# Altium PCB 滑板车模块 - 拼板.PcbDoc (part 4 of 8)
Units mm, origin at the board's own origin, x right, y up, seen from the top; angles counter-clockwise.
Board outline 16 x 13 mm, 2 copper layers (Top Layer, Bottom Layer); 420 components, 26 nets, 2088 pads, 620 vias.
Unrouted connection lines stored in the file: 114.
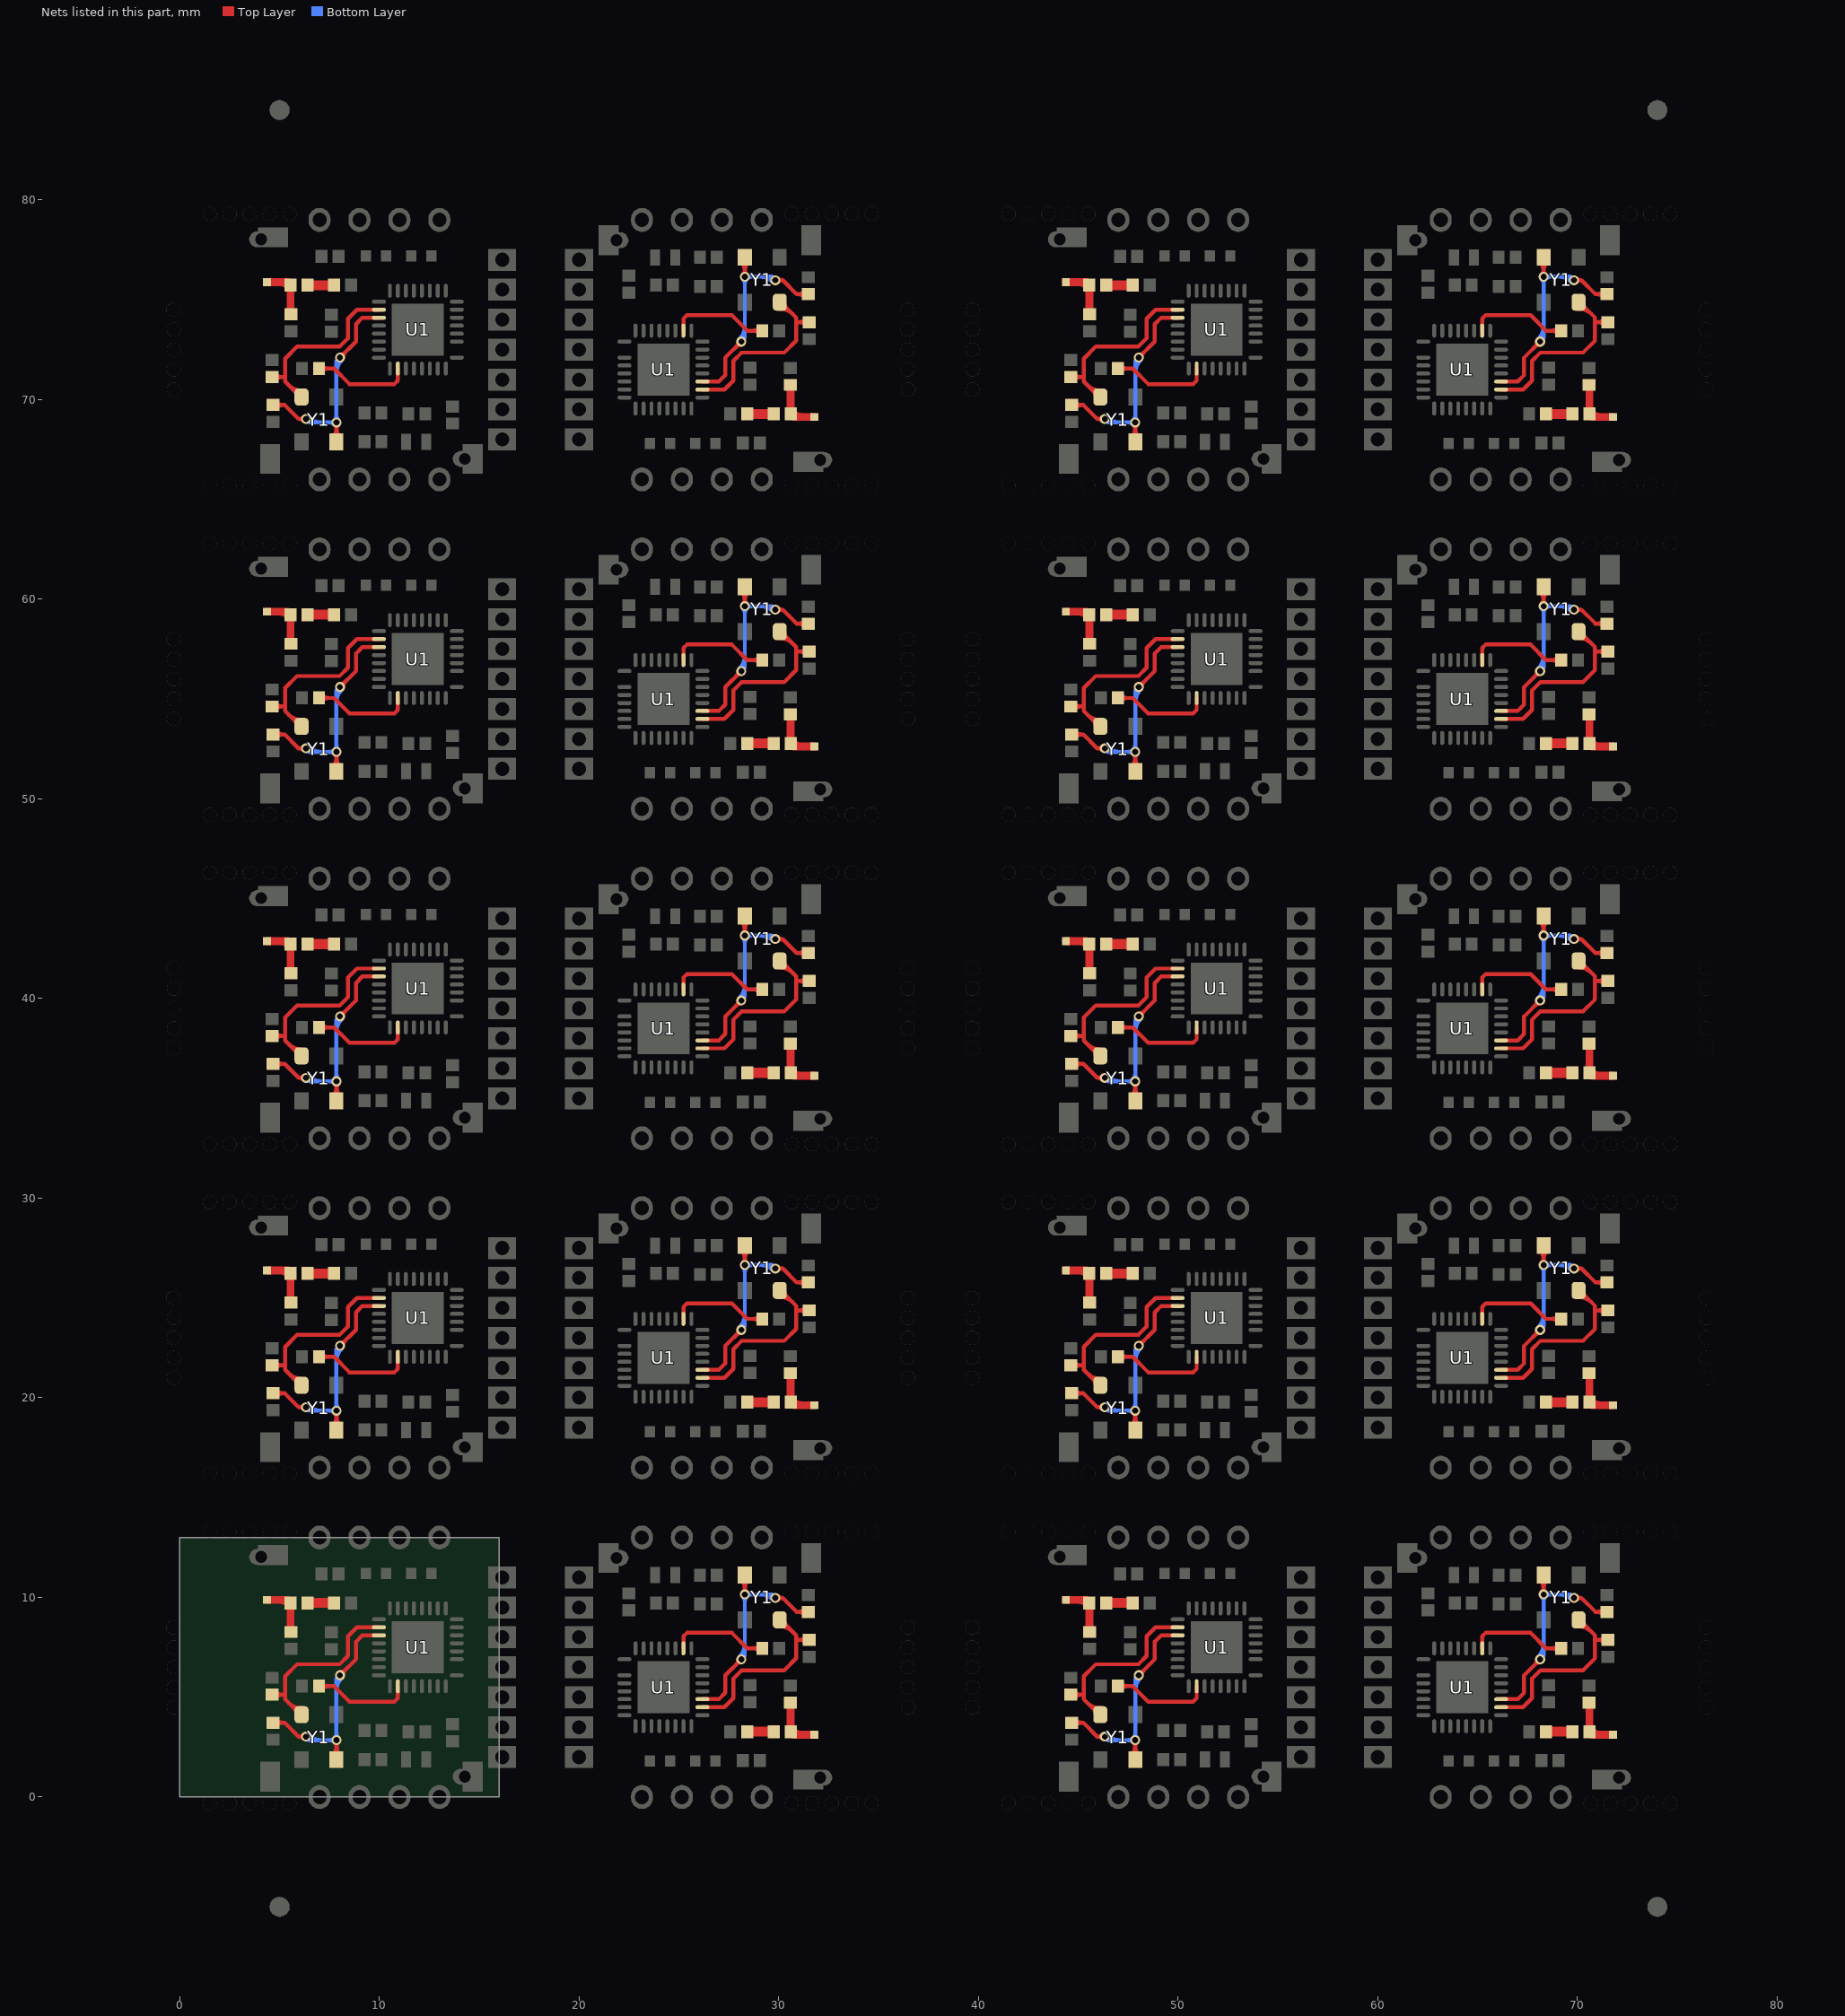
[diagram p4: the nets of this part, all layers, seen from the top]

## Via types
v1: diameter 0.5, hole 0.3, Top Layer to Bottom Layer, tented both sides, 620 vias

## Nets (pads, with @x,y where several pads share a name; then routed paths per layer and width w, separated by ;. In a path a pad name is that pad's centre, name@x,y a point inside that pad or via, vN(x,y) a via of type N, cw(c..) or ccw(c..) an arc to the next point about the centre after c; other vN are vias at no path point) (continued)
NetC3_1: C3.1 U1.11 Y1.3 | length 358.7
  Top Layer w0.2: C3.1@4.675,3.725 5.25,3.725 5.95,3.025 v1(6.325,3.025) ; C3.1@4.675,20.225 5.25,20.225 5.95,19.525 v1(6.325,19.525) ; C3.1@4.675,36.725 5.25,36.725 5.95,36.025 v1(6.325,36.025) ; C3.1@4.675,53.225 5.25,53.225 5.95,52.525 v1(6.325,52.525) ; C3.1@4.675,69.725 5.25,69.725 5.95,69.025 v1(6.325,69.025) ; C3.1@4.841,3.584 cw(c5.183,3.242) 5.183,3.725 cw(c5.183,4.208) C3.1@4.841,3.866 ; C3.1@4.841,20.084 cw(c5.183,19.742) 5.183,20.225 cw(c5.183,20.708) C3.1@4.841,20.366 ; C3.1@4.841,36.584 cw(c5.183,36.242) 5.183,36.725 cw(c5.183,37.208) C3.1@4.841,36.866 ; C3.1@4.841,53.084 cw(c5.183,52.742) 5.183,53.225 cw(c5.183,53.708) C3.1@4.841,53.366 ; C3.1@4.841,69.584 cw(c5.183,69.242) 5.183,69.725 cw(c5.183,70.208) C3.1@4.841,69.866 ; v1@6.219,2.919 ccw(c5.963,2.663) 5.963,3.025 ccw(c5.963,3.387) v1@6.219,3.131 ; v1@6.219,19.419 ccw(c5.963,19.163) 5.963,19.525 ccw(c5.963,19.887) v1@6.219,19.631 ; v1@6.219,35.919 ccw(c5.963,35.663) 5.963,36.025 ccw(c5.963,36.387) v1@6.219,36.131 ; v1@6.219,52.419 ccw(c5.963,52.163) 5.963,52.525 ccw(c5.963,52.887) v1@6.219,52.631 ; v1@6.219,68.919 ccw(c5.963,68.663) 5.963,69.025 ccw(c5.963,69.387) v1@6.219,69.131 ; Y1.3@7.673,2.127 ccw(c7.246,2.554) 7.85,2.554 ccw(c8.454,2.554) Y1.3@8.027,2.127 ; Y1.3@7.673,18.627 ccw(c7.246,19.054) 7.85,19.054 ccw(c8.454,19.054) Y1.3@8.027,18.627 ; Y1.3@7.673,35.127 ccw(c7.246,35.554) 7.85,35.554 ccw(c8.454,35.554) Y1.3@8.027,35.127 ; Y1.3@7.673,51.627 ccw(c7.246,52.054) 7.85,52.054 ccw(c8.454,52.054) Y1.3@8.027,51.627 ; Y1.3@7.673,68.127 ccw(c7.246,68.554) 7.85,68.554 ccw(c8.454,68.554) Y1.3@8.027,68.127 ; v1@7.744,2.744 cw(c7.488,2.488) 7.85,2.488 cw(c8.212,2.488) v1@7.956,2.744 ; v1@7.744,19.244 cw(c7.488,18.988) 7.85,18.988 cw(c8.212,18.988) v1@7.956,19.244 ; v1@7.744,35.744 cw(c7.488,35.488) 7.85,35.488 cw(c8.212,35.488) v1@7.956,35.744 ; v1@7.744,52.244 cw(c7.488,51.988) 7.85,51.988 cw(c8.212,51.988) v1@7.956,52.244 ; v1@7.744,68.744 cw(c7.488,68.488) 7.85,68.488 cw(c8.212,68.488) v1@7.956,68.744 ; Y1.3@7.85,1.875 v1(7.85,2.85) ; Y1.3@7.85,18.375 v1(7.85,19.35) ; Y1.3@7.85,34.875 v1(7.85,35.85) ; Y1.3@7.85,51.375 v1(7.85,52.35) ; Y1.3@7.85,67.875 v1(7.85,68.85) ; v1(8.025,6.1) 8.825,6.9 8.825,7.775 9.15,8.1 U1.11@9.975,8.1 ; v1@8.025,6.25 ccw(c8.025,6.612) 8.281,6.356 ccw(c8.537,6.1) v1@8.175,6.1 ; v1(8.025,22.6) 8.825,23.4 8.825,24.275 9.15,24.6 U1.11@9.975,24.6 ; v1@8.025,22.75 ccw(c8.025,23.112) 8.281,22.856 ccw(c8.537,22.6) v1@8.175,22.6 ; v1(8.025,39.1) 8.825,39.9 8.825,40.775 9.15,41.1 U1.11@9.975,41.1 ; v1@8.025,39.25 ccw(c8.025,39.612) 8.281,39.356 ccw(c8.537,39.1) v1@8.175,39.1 ; v1(8.025,55.6) 8.825,56.4 8.825,57.275 9.15,57.6 U1.11@9.975,57.6 ; v1@8.025,55.75 ccw(c8.025,56.112) 8.281,55.856 ccw(c8.537,55.6) v1@8.175,55.6 ; v1(8.025,72.1) 8.825,72.9 8.825,73.775 9.15,74.1 U1.11@9.975,74.1 ; v1@8.025,72.25 ccw(c8.025,72.612) 8.281,72.356 ccw(c8.537,72.1) v1@8.175,72.1 ; U1.11@26.175,4.9 27,4.9 27.325,5.225 27.325,6.1 v1(28.125,6.9) ; U1.11@26.175,21.4 27,21.4 27.325,21.725 27.325,22.6 v1(28.125,23.4) ; U1.11@26.175,37.9 27,37.9 27.325,38.225 27.325,39.1 v1(28.125,39.9) ; U1.11@26.175,54.4 27,54.4 27.325,54.725 27.325,55.6 v1(28.125,56.4) ; U1.11@26.175,70.9 27,70.9 27.325,71.225 27.325,72.1 v1(28.125,72.9) ; v1@27.975,6.9 cw(c27.613,6.9) 27.869,6.644 cw(c28.125,6.388) v1@28.125,6.75 ; v1@27.975,23.4 cw(c27.613,23.4) 27.869,23.144 cw(c28.125,22.888) v1@28.125,23.25 ; v1@27.975,39.9 cw(c27.613,39.9) 27.869,39.644 cw(c28.125,39.388) v1@28.125,39.75 ; v1@27.975,56.4 cw(c27.613,56.4) 27.869,56.144 cw(c28.125,55.888) v1@28.125,56.25 ; v1@27.975,72.9 cw(c27.613,72.9) 27.869,72.644 cw(c28.125,72.388) v1@28.125,72.75 ; Y1.3@28.123,10.873 cw(c27.696,10.446) 28.3,10.446 cw(c28.904,10.446) Y1.3@28.477,10.873 ; Y1.3@28.123,27.373 cw(c27.696,26.946) 28.3,26.946 cw(c28.904,26.946) Y1.3@28.477,27.373 ; Y1.3@28.123,43.873 cw(c27.696,43.446) 28.3,43.446 cw(c28.904,43.446) Y1.3@28.477,43.873 ; Y1.3@28.123,60.373 cw(c27.696,59.946) 28.3,59.946 cw(c28.904,59.946) Y1.3@28.477,60.373 ; Y1.3@28.123,76.873 cw(c27.696,76.446) 28.3,76.446 cw(c28.904,76.446) Y1.3@28.477,76.873 ; v1@28.194,10.256 ccw(c27.938,10.512) 28.3,10.512 ccw(c28.662,10.512) v1@28.406,10.256 ; v1@28.194,26.756 ccw(c27.938,27.012) 28.3,27.012 ccw(c28.662,27.012) v1@28.406,26.756 ; v1@28.194,43.256 ccw(c27.938,43.512) 28.3,43.512 ccw(c28.662,43.512) v1@28.406,43.256 ; v1@28.194,59.756 ccw(c27.938,60.012) 28.3,60.012 ccw(c28.662,60.012) v1@28.406,59.756 ; v1@28.194,76.256 ccw(c27.938,76.512) 28.3,76.512 ccw(c28.662,76.512) v1@28.406,76.256 ; v1(28.3,10.15) Y1.3@28.3,11.125 ; v1(28.3,26.65) Y1.3@28.3,27.625 ; v1(28.3,43.15) Y1.3@28.3,44.125 ; v1(28.3,59.65) Y1.3@28.3,60.625 ; v1(28.3,76.15) Y1.3@28.3,77.125 ; v1(29.825,9.975) 30.2,9.975 30.9,9.275 C3.1@31.475,9.275 ; v1(29.825,26.475) 30.2,26.475 30.9,25.775 C3.1@31.475,25.775 ; v1(29.825,42.975) 30.2,42.975 30.9,42.275 C3.1@31.475,42.275 ; v1(29.825,59.475) 30.2,59.475 30.9,58.775 C3.1@31.475,58.775 ; v1(29.825,75.975) 30.2,75.975 30.9,75.275 C3.1@31.475,75.275 ; v1@29.931,9.869 cw(c30.187,9.613) 30.187,9.975 cw(c30.187,10.337) v1@29.931,10.081 ; v1@29.931,26.369 cw(c30.187,26.113) 30.187,26.475 cw(c30.187,26.837) v1@29.931,26.581 ; v1@29.931,42.869 cw(c30.187,42.613) 30.187,42.975 cw(c30.187,43.337) v1@29.931,43.081 ; v1@29.931,59.369 cw(c30.187,59.113) 30.187,59.475 cw(c30.187,59.837) v1@29.931,59.581 ; v1@29.931,75.869 cw(c30.187,75.613) 30.187,75.975 cw(c30.187,76.337) v1@29.931,76.081 ; C3.1@31.309,9.134 ccw(c30.967,8.792) 30.967,9.275 ccw(c30.967,9.758) C3.1@31.309,9.416 ; C3.1@31.309,25.634 ccw(c30.967,25.292) 30.967,25.775 ccw(c30.967,26.258) C3.1@31.309,25.916 ; C3.1@31.309,42.134 ccw(c30.967,41.792) 30.967,42.275 ccw(c30.967,42.758) C3.1@31.309,42.416 ; C3.1@31.309,58.634 ccw(c30.967,58.292) 30.967,58.775 ccw(c30.967,59.258) C3.1@31.309,58.916 ; C3.1@31.309,75.134 ccw(c30.967,74.792) 30.967,75.275 ccw(c30.967,75.758) C3.1@31.309,75.416 ; C3.1@44.675,3.725 45.25,3.725 45.95,3.025 v1(46.325,3.025) ; C3.1@44.675,20.225 45.25,20.225 45.95,19.525 v1(46.325,19.525) ; C3.1@44.675,36.725 45.25,36.725 45.95,36.025 v1(46.325,36.025) ; C3.1@44.675,53.225 45.25,53.225 45.95,52.525 v1(46.325,52.525) ; C3.1@44.675,69.725 45.25,69.725 45.95,69.025 v1(46.325,69.025) ; C3.1@44.841,3.584 cw(c45.183,3.242) 45.183,3.725 cw(c45.183,4.208) C3.1@44.841,3.866 ; C3.1@44.841,20.084 cw(c45.183,19.742) 45.183,20.225 cw(c45.183,20.708) C3.1@44.841,20.366 ; C3.1@44.841,36.584 cw(c45.183,36.242) 45.183,36.725 cw(c45.183,37.208) C3.1@44.841,36.866 ; C3.1@44.841,53.084 cw(c45.183,52.742) 45.183,53.225 cw(c45.183,53.708) C3.1@44.841,53.366 ; C3.1@44.841,69.584 cw(c45.183,69.242) 45.183,69.725 cw(c45.183,70.208) C3.1@44.841,69.866 ; v1@46.219,2.919 ccw(c45.963,2.663) 45.963,3.025 ccw(c45.963,3.387) v1@46.219,3.131 ; v1@46.219,19.419 ccw(c45.963,19.163) 45.963,19.525 ccw(c45.963,19.887) v1@46.219,19.631 ; v1@46.219,35.919 ccw(c45.963,35.663) 45.963,36.025 ccw(c45.963,36.387) v1@46.219,36.131 ; v1@46.219,52.419 ccw(c45.963,52.163) 45.963,52.525 ccw(c45.963,52.887) v1@46.219,52.631 ; v1@46.219,68.919 ccw(c45.963,68.663) 45.963,69.025 ccw(c45.963,69.387) v1@46.219,69.131 ; Y1.3@47.673,2.127 ccw(c47.246,2.554) 47.85,2.554 ccw(c48.454,2.554) Y1.3@48.027,2.127 ; Y1.3@47.673,18.627 ccw(c47.246,19.054) 47.85,19.054 ccw(c48.454,19.054) Y1.3@48.027,18.627 ; Y1.3@47.673,35.127 ccw(c47.246,35.554) 47.85,35.554 ccw(c48.454,35.554) Y1.3@48.027,35.127 ; Y1.3@47.673,51.627 ccw(c47.246,52.054) 47.85,52.054 ccw(c48.454,52.054) Y1.3@48.027,51.627 ; Y1.3@47.673,68.127 ccw(c47.246,68.554) 47.85,68.554 ccw(c48.454,68.554) Y1.3@48.027,68.127 ; v1@47.744,2.744 cw(c47.488,2.488) 47.85,2.488 cw(c48.212,2.488) v1@47.956,2.744 ; v1@47.744,19.244 cw(c47.488,18.988) 47.85,18.988 cw(c48.212,18.988) v1@47.956,19.244 ; v1@47.744,35.744 cw(c47.488,35.488) 47.85,35.488 cw(c48.212,35.488) v1@47.956,35.744 ; v1@47.744,52.244 cw(c47.488,51.988) 47.85,51.988 cw(c48.212,51.988) v1@47.956,52.244 ; v1@47.744,68.744 cw(c47.488,68.488) 47.85,68.488 cw(c48.212,68.488) v1@47.956,68.744 ; Y1.3@47.85,1.875 v1(47.85,2.85) ; Y1.3@47.85,18.375 v1(47.85,19.35) ; Y1.3@47.85,34.875 v1(47.85,35.85) ; Y1.3@47.85,51.375 v1(47.85,52.35) ; Y1.3@47.85,67.875 v1(47.85,68.85) ; v1(48.025,6.1) 48.825,6.9 48.825,7.775 49.15,8.1 U1.11@49.975,8.1 ; v1@48.025,6.25 ccw(c48.025,6.612) 48.281,6.356 ccw(c48.537,6.1) v1@48.175,6.1 ; v1(48.025,22.6) 48.825,23.4 48.825,24.275 49.15,24.6 U1.11@49.975,24.6 ; v1@48.025,22.75 ccw(c48.025,23.112) 48.281,22.856 ccw(c48.537,22.6) v1@48.175,22.6 ; v1(48.025,39.1) 48.825,39.9 48.825,40.775 49.15,41.1 U1.11@49.975,41.1 ; v1@48.025,39.25 ccw(c48.025,39.612) 48.281,39.356 ccw(c48.537,39.1) v1@48.175,39.1 ; v1(48.025,55.6) 48.825,56.4 48.825,57.275 49.15,57.6 U1.11@49.975,57.6 ; v1@48.025,55.75 ccw(c48.025,56.112) 48.281,55.856 ccw(c48.537,55.6) v1@48.175,55.6 ; v1(48.025,72.1) 48.825,72.9 48.825,73.775 49.15,74.1 U1.11@49.975,74.1 ; v1@48.025,72.25 ccw(c48.025,72.612) 48.281,72.356 ccw(c48.537,72.1) v1@48.175,72.1 ; U1.11@66.175,4.9 67,4.9 67.325,5.225 67.325,6.1 v1(68.125,6.9) ; U1.11@66.175,21.4 67,21.4 67.325,21.725 67.325,22.6 v1(68.125,23.4) ; U1.11@66.175,37.9 67,37.9 67.325,38.225 67.325,39.1 v1(68.125,39.9) ; U1.11@66.175,54.4 67,54.4 67.325,54.725 67.325,55.6 v1(68.125,56.4) ; U1.11@66.175,70.9 67,70.9 67.325,71.225 67.325,72.1 v1(68.125,72.9) ; v1@67.975,6.9 cw(c67.613,6.9) 67.869,6.644 cw(c68.125,6.388) v1@68.125,6.75 ; v1@67.975,23.4 cw(c67.613,23.4) 67.869,23.144 cw(c68.125,22.888) v1@68.125,23.25 ; v1@67.975,39.9 cw(c67.613,39.9) 67.869,39.644 cw(c68.125,39.388) v1@68.125,39.75 ; v1@67.975,56.4 cw(c67.613,56.4) 67.869,56.144 cw(c68.125,55.888) v1@68.125,56.25 ; v1@67.975,72.9 cw(c67.613,72.9) 67.869,72.644 cw(c68.125,72.388) v1@68.125,72.75 ; Y1.3@68.123,10.873 cw(c67.696,10.446) 68.3,10.446 cw(c68.904,10.446) Y1.3@68.477,10.873 ; Y1.3@68.123,27.373 cw(c67.696,26.946) 68.3,26.946 cw(c68.904,26.946) Y1.3@68.477,27.373 ; Y1.3@68.123,43.873 cw(c67.696,43.446) 68.3,43.446 cw(c68.904,43.446) Y1.3@68.477,43.873 ; Y1.3@68.123,60.373 cw(c67.696,59.946) 68.3,59.946 cw(c68.904,59.946) Y1.3@68.477,60.373 ; Y1.3@68.123,76.873 cw(c67.696,76.446) 68.3,76.446 cw(c68.904,76.446) Y1.3@68.477,76.873 ; v1@68.194,10.256 ccw(c67.938,10.512) 68.3,10.512 ccw(c68.662,10.512) v1@68.406,10.256 ; v1@68.194,26.756 ccw(c67.938,27.012) 68.3,27.012 ccw(c68.662,27.012) v1@68.406,26.756 ; v1@68.194,43.256 ccw(c67.938,43.512) 68.3,43.512 ccw(c68.662,43.512) v1@68.406,43.256 ; v1@68.194,59.756 ccw(c67.938,60.012) 68.3,60.012 ccw(c68.662,60.012) v1@68.406,59.756 ; v1@68.194,76.256 ccw(c67.938,76.512) 68.3,76.512 ccw(c68.662,76.512) v1@68.406,76.256 ; v1(68.3,10.15) Y1.3@68.3,11.125 ; v1(68.3,26.65) Y1.3@68.3,27.625 ; v1(68.3,43.15) Y1.3@68.3,44.125 ; v1(68.3,59.65) Y1.3@68.3,60.625 ; v1(68.3,76.15) Y1.3@68.3,77.125 ; v1(69.825,9.975) 70.2,9.975 70.9,9.275 C3.1@71.475,9.275 ; v1(69.825,26.475) 70.2,26.475 70.9,25.775 C3.1@71.475,25.775 ; v1(69.825,42.975) 70.2,42.975 70.9,42.275 C3.1@71.475,42.275 ; v1(69.825,59.475) 70.2,59.475 70.9,58.775 C3.1@71.475,58.775 ; v1(69.825,75.975) 70.2,75.975 70.9,75.275 C3.1@71.475,75.275 ; v1@69.931,9.869 cw(c70.187,9.613) 70.187,9.975 cw(c70.187,10.337) v1@69.931,10.081 ; v1@69.931,26.369 cw(c70.187,26.113) 70.187,26.475 cw(c70.187,26.837) v1@69.931,26.581 ; v1@69.931,42.869 cw(c70.187,42.613) 70.187,42.975 cw(c70.187,43.337) v1@69.931,43.081 ; v1@69.931,59.369 cw(c70.187,59.113) 70.187,59.475 cw(c70.187,59.837) v1@69.931,59.581 ; v1@69.931,75.869 cw(c70.187,75.613) 70.187,75.975 cw(c70.187,76.337) v1@69.931,76.081 ; C3.1@71.309,9.134 ccw(c70.967,8.792) 70.967,9.275 ccw(c70.967,9.758) C3.1@71.309,9.416 ; C3.1@71.309,25.634 ccw(c70.967,25.292) 70.967,25.775 ccw(c70.967,26.258) C3.1@71.309,25.916 ; C3.1@71.309,42.134 ccw(c70.967,41.792) 70.967,42.275 ccw(c70.967,42.758) C3.1@71.309,42.416 ; C3.1@71.309,58.634 ccw(c70.967,58.292) 70.967,58.775 ccw(c70.967,59.258) C3.1@71.309,58.916 ; C3.1@71.309,75.134 ccw(c70.967,74.792) 70.967,75.275 ccw(c70.967,75.758) C3.1@71.309,75.416
  Bottom Layer w0.2: v1@6.29,2.99 ccw(c6.627,3.327) 6.627,2.85 ; v1@6.29,19.49 ccw(c6.627,19.827) 6.627,19.35 ; v1@6.29,35.99 ccw(c6.627,36.327) 6.627,35.85 ; v1@6.29,52.49 ccw(c6.627,52.827) 6.627,52.35 ; v1@6.29,68.99 ccw(c6.627,69.327) 6.627,68.85 ; v1(6.325,3.025) 6.5,2.85 v1(7.85,2.85) 7.85,5.925 v1(8.025,6.1) ; v1(6.325,19.525) 6.5,19.35 v1(7.85,19.35) 7.85,22.425 v1(8.025,22.6) ; v1(6.325,36.025) 6.5,35.85 v1(7.85,35.85) 7.85,38.925 v1(8.025,39.1) ; v1(6.325,52.525) 6.5,52.35 v1(7.85,52.35) 7.85,55.425 v1(8.025,55.6) ; v1(6.325,69.025) 6.5,68.85 v1(7.85,68.85) 7.85,71.925 v1(8.025,72.1) ; v1@6.431,3.131 ccw(c7.11,3.81) 7.11,2.85 ; v1@6.431,19.631 ccw(c7.11,20.31) 7.11,19.35 ; v1@6.431,36.131 ccw(c7.11,36.81) 7.11,35.85 ; v1@6.431,52.631 ccw(c7.11,53.31) 7.11,52.35 ; v1@6.431,69.131 ccw(c7.11,69.81) 7.11,68.85 ; v1@7.744,2.744 ccw(c7.488,2.488) 7.488,2.85 ccw(c7.488,3.212) 7.744,2.956 ccw(c7.488,3.212) 7.85,3.212 ccw(c8.212,3.212) v1@7.956,2.956 ; v1@7.744,19.244 ccw(c7.488,18.988) 7.488,19.35 ccw(c7.488,19.712) 7.744,19.456 ccw(c7.488,19.712) 7.85,19.712 ccw(c8.212,19.712) v1@7.956,19.456 ; v1@7.744,35.744 ccw(c7.488,35.488) 7.488,35.85 ccw(c7.488,36.212) 7.744,35.956 ccw(c7.488,36.212) 7.85,36.212 ccw(c8.212,36.212) v1@7.956,35.956 ; v1@7.744,52.244 ccw(c7.488,51.988) 7.488,52.35 ccw(c7.488,52.712) 7.744,52.456 ccw(c7.488,52.712) 7.85,52.712 ccw(c8.212,52.712) v1@7.956,52.456 ; v1@7.744,68.744 ccw(c7.488,68.488) 7.488,68.85 ccw(c7.488,69.212) 7.744,68.956 ccw(c7.488,69.212) 7.85,69.212 ccw(c8.212,69.212) v1@7.956,68.956 ; 7.85,5.315 cw(c8.81,5.315) v1@8.131,5.994 ; 7.85,5.798 cw(c8.327,5.798) v1@7.99,6.135 ; 7.85,21.815 cw(c8.81,21.815) v1@8.131,22.494 ; 7.85,22.298 cw(c8.327,22.298) v1@7.99,22.635 ; 7.85,38.315 cw(c8.81,38.315) v1@8.131,38.994 ; 7.85,38.798 cw(c8.327,38.798) v1@7.99,39.135 ; 7.85,54.815 cw(c8.81,54.815) v1@8.131,55.494 ; 7.85,55.298 cw(c8.327,55.298) v1@7.99,55.635 ; 7.85,71.315 cw(c8.81,71.315) v1@8.131,71.994 ; 7.85,71.798 cw(c8.327,71.798) v1@7.99,72.135 ; v1@28.019,7.006 ccw(c27.34,7.685) 28.3,7.685 ; v1@28.019,23.506 ccw(c27.34,24.185) 28.3,24.185 ; v1@28.019,40.006 ccw(c27.34,40.685) 28.3,40.685 ; v1@28.019,56.506 ccw(c27.34,57.185) 28.3,57.185 ; v1@28.019,73.006 ccw(c27.34,73.685) 28.3,73.685 ; v1(28.125,6.9) 28.3,7.075 v1(28.3,10.15) 29.65,10.15 v1(29.825,9.975) ; v1(28.125,23.4) 28.3,23.575 v1(28.3,26.65) 29.65,26.65 v1(29.825,26.475) ; v1(28.125,39.9) 28.3,40.075 v1(28.3,43.15) 29.65,43.15 v1(29.825,42.975) ; v1(28.125,56.4) 28.3,56.575 v1(28.3,59.65) 29.65,59.65 v1(29.825,59.475) ; v1(28.125,72.9) 28.3,73.075 v1(28.3,76.15) 29.65,76.15 v1(29.825,75.975) ; v1@28.16,6.865 ccw(c27.823,7.202) 28.3,7.202 ; v1@28.16,23.365 ccw(c27.823,23.702) 28.3,23.702 ; v1@28.16,39.865 ccw(c27.823,40.202) 28.3,40.202 ; v1@28.16,56.365 ccw(c27.823,56.702) 28.3,56.702 ; v1@28.16,72.865 ccw(c27.823,73.202) 28.3,73.202 ; v1@28.194,10.044 cw(c27.938,9.788) 28.3,9.788 cw(c28.662,9.788) 28.406,10.044 cw(c28.662,9.788) 28.662,10.15 cw(c28.662,10.512) v1@28.406,10.256 ; v1@28.194,26.544 cw(c27.938,26.288) 28.3,26.288 cw(c28.662,26.288) 28.406,26.544 cw(c28.662,26.288) 28.662,26.65 cw(c28.662,27.012) v1@28.406,26.756 ; v1@28.194,43.044 cw(c27.938,42.788) 28.3,42.788 cw(c28.662,42.788) 28.406,43.044 cw(c28.662,42.788) 28.662,43.15 cw(c28.662,43.512) v1@28.406,43.256 ; v1@28.194,59.544 cw(c27.938,59.288) 28.3,59.288 cw(c28.662,59.288) 28.406,59.544 cw(c28.662,59.288) 28.662,59.65 cw(c28.662,60.012) v1@28.406,59.756 ; v1@28.194,76.044 cw(c27.938,75.788) 28.3,75.788 cw(c28.662,75.788) 28.406,76.044 cw(c28.662,75.788) 28.662,76.15 cw(c28.662,76.512) v1@28.406,76.256 ; 29.04,10.15 cw(c29.04,9.19) v1@29.719,9.869 ; 29.04,26.65 cw(c29.04,25.69) v1@29.719,26.369 ; 29.04,43.15 cw(c29.04,42.19) v1@29.719,42.869 ; 29.04,59.65 cw(c29.04,58.69) v1@29.719,59.369 ; 29.04,76.15 cw(c29.04,75.19) v1@29.719,75.869 ; 29.523,10.15 cw(c29.523,9.673) v1@29.86,10.01 ; 29.523,26.65 cw(c29.523,26.173) v1@29.86,26.51 ; 29.523,43.15 cw(c29.523,42.673) v1@29.86,43.01 ; 29.523,59.65 cw(c29.523,59.173) v1@29.86,59.51 ; 29.523,76.15 cw(c29.523,75.673) v1@29.86,76.01 ; v1@46.29,2.99 ccw(c46.627,3.327) 46.627,2.85 ; v1@46.29,19.49 ccw(c46.627,19.827) 46.627,19.35 ; v1@46.29,35.99 ccw(c46.627,36.327) 46.627,35.85 ; v1@46.29,52.49 ccw(c46.627,52.827) 46.627,52.35 ; v1@46.29,68.99 ccw(c46.627,69.327) 46.627,68.85 ; v1(46.325,3.025) 46.5,2.85 v1(47.85,2.85) 47.85,5.925 v1(48.025,6.1) ; v1(46.325,19.525) 46.5,19.35 v1(47.85,19.35) 47.85,22.425 v1(48.025,22.6) ; v1(46.325,36.025) 46.5,35.85 v1(47.85,35.85) 47.85,38.925 v1(48.025,39.1) ; v1(46.325,52.525) 46.5,52.35 v1(47.85,52.35) 47.85,55.425 v1(48.025,55.6) ; v1(46.325,69.025) 46.5,68.85 v1(47.85,68.85) 47.85,71.925 v1(48.025,72.1) ; v1@46.431,3.131 ccw(c47.11,3.81) 47.11,2.85 ; v1@46.431,19.631 ccw(c47.11,20.31) 47.11,19.35 ; v1@46.431,36.131 ccw(c47.11,36.81) 47.11,35.85 ; v1@46.431,52.631 ccw(c47.11,53.31) 47.11,52.35 ; v1@46.431,69.131 ccw(c47.11,69.81) 47.11,68.85 ; v1@47.744,2.744 ccw(c47.488,2.488) 47.488,2.85 ccw(c47.488,3.212) 47.744,2.956 ccw(c47.488,3.212) 47.85,3.212 ccw(c48.212,3.212) v1@47.956,2.956 ; v1@47.744,19.244 ccw(c47.488,18.988) 47.488,19.35 ccw(c47.488,19.712) 47.744,19.456 ccw(c47.488,19.712) 47.85,19.712 ccw(c48.212,19.712) v1@47.956,19.456 ; v1@47.744,35.744 ccw(c47.488,35.488) 47.488,35.85 ccw(c47.488,36.212) 47.744,35.956 ccw(c47.488,36.212) 47.85,36.212 ccw(c48.212,36.212) v1@47.956,35.956 ; v1@47.744,52.244 ccw(c47.488,51.988) 47.488,52.35 ccw(c47.488,52.712) 47.744,52.456 ccw(c47.488,52.712) 47.85,52.712 ccw(c48.212,52.712) v1@47.956,52.456 ; v1@47.744,68.744 ccw(c47.488,68.488) 47.488,68.85 ccw(c47.488,69.212) 47.744,68.956 ccw(c47.488,69.212) 47.85,69.212 ccw(c48.212,69.212) v1@47.956,68.956 ; 47.85,5.315 cw(c48.81,5.315) v1@48.131,5.994 ; 47.85,5.798 cw(c48.327,5.798) v1@47.99,6.135 ; 47.85,21.815 cw(c48.81,21.815) v1@48.131,22.494 ; 47.85,22.298 cw(c48.327,22.298) v1@47.99,22.635 ; 47.85,38.315 cw(c48.81,38.315) v1@48.131,38.994 ; 47.85,38.798 cw(c48.327,38.798) v1@47.99,39.135 ; 47.85,54.815 cw(c48.81,54.815) v1@48.131,55.494 ; 47.85,55.298 cw(c48.327,55.298) v1@47.99,55.635 ; 47.85,71.315 cw(c48.81,71.315) v1@48.131,71.994 ; 47.85,71.798 cw(c48.327,71.798) v1@47.99,72.135 ; v1@68.019,7.006 ccw(c67.34,7.685) 68.3,7.685 ; v1@68.019,23.506 ccw(c67.34,24.185) 68.3,24.185 ; v1@68.019,40.006 ccw(c67.34,40.685) 68.3,40.685 ; v1@68.019,56.506 ccw(c67.34,57.185) 68.3,57.185 ; v1@68.019,73.006 ccw(c67.34,73.685) 68.3,73.685 ; v1(68.125,6.9) 68.3,7.075 v1(68.3,10.15) 69.65,10.15 v1(69.825,9.975) ; v1(68.125,23.4) 68.3,23.575 v1(68.3,26.65) 69.65,26.65 v1(69.825,26.475) ; v1(68.125,39.9) 68.3,40.075 v1(68.3,43.15) 69.65,43.15 v1(69.825,42.975) ; v1(68.125,56.4) 68.3,56.575 v1(68.3,59.65) 69.65,59.65 v1(69.825,59.475) ; v1(68.125,72.9) 68.3,73.075 v1(68.3,76.15) 69.65,76.15 v1(69.825,75.975) ; v1@68.16,6.865 ccw(c67.823,7.202) 68.3,7.202 ; v1@68.16,23.365 ccw(c67.823,23.702) 68.3,23.702 ; v1@68.16,39.865 ccw(c67.823,40.202) 68.3,40.202 ; v1@68.16,56.365 ccw(c67.823,56.702) 68.3,56.702 ; v1@68.16,72.865 ccw(c67.823,73.202) 68.3,73.202 ; v1@68.194,10.044 cw(c67.938,9.788) 68.3,9.788 cw(c68.662,9.788) 68.406,10.044 cw(c68.662,9.788) 68.662,10.15 cw(c68.662,10.512) v1@68.406,10.256 ; v1@68.194,26.544 cw(c67.938,26.288) 68.3,26.288 cw(c68.662,26.288) 68.406,26.544 cw(c68.662,26.288) 68.662,26.65 cw(c68.662,27.012) v1@68.406,26.756 ; v1@68.194,43.044 cw(c67.938,42.788) 68.3,42.788 cw(c68.662,42.788) 68.406,43.044 cw(c68.662,42.788) 68.662,43.15 cw(c68.662,43.512) v1@68.406,43.256 ; v1@68.194,59.544 cw(c67.938,59.288) 68.3,59.288 cw(c68.662,59.288) 68.406,59.544 cw(c68.662,59.288) 68.662,59.65 cw(c68.662,60.012) v1@68.406,59.756 ; v1@68.194,76.044 cw(c67.938,75.788) 68.3,75.788 cw(c68.662,75.788) 68.406,76.044 cw(c68.662,75.788) 68.662,76.15 cw(c68.662,76.512) v1@68.406,76.256 ; 69.04,10.15 cw(c69.04,9.19) v1@69.719,9.869 ; 69.04,26.65 cw(c69.04,25.69) v1@69.719,26.369 ; 69.04,43.15 cw(c69.04,42.19) v1@69.719,42.869 ; 69.04,59.65 cw(c69.04,58.69) v1@69.719,59.369 ; 69.04,76.15 cw(c69.04,75.19) v1@69.719,75.869 ; 69.523,10.15 cw(c69.523,9.673) v1@69.86,10.01 ; 69.523,26.65 cw(c69.523,26.173) v1@69.86,26.51 ; 69.523,43.15 cw(c69.523,42.673) v1@69.86,43.01 ; 69.523,59.65 cw(c69.523,59.173) v1@69.86,59.51 ; 69.523,76.15 cw(c69.523,75.673) v1@69.86,76.01
NetC6_1: C6.1 U1.10 Y1.1 | length 217.6
  Top Layer w0.2: C6.1@4.625,5.125 5.275,5.125 ; C6.1@4.625,21.625 5.275,21.625 ; C6.1@4.625,38.125 5.275,38.125 ; C6.1@4.625,54.625 5.275,54.625 ; C6.1@4.625,71.125 5.275,71.125 ; C6.1@4.791,4.984 cw(c5.133,4.642) 5.133,5.125 cw(c5.133,5.608) C6.1@4.791,5.266 ; C6.1@4.791,21.484 cw(c5.133,21.142) 5.133,21.625 cw(c5.133,22.108) C6.1@4.791,21.766 ; C6.1@4.791,37.984 cw(c5.133,37.642) 5.133,38.125 cw(c5.133,38.608) C6.1@4.791,38.266 ; C6.1@4.791,54.484 cw(c5.133,54.142) 5.133,54.625 cw(c5.133,55.108) C6.1@4.791,54.766 ; C6.1@4.791,70.984 cw(c5.133,70.642) 5.133,71.125 cw(c5.133,71.608) C6.1@4.791,71.266 ; 5.46,4.715 ccw(c6.1,5.355) Y1.1@6.1,4.45 ; 5.46,21.215 ccw(c6.1,21.855) Y1.1@6.1,20.95 ; 5.46,37.715 ccw(c6.1,38.355) Y1.1@6.1,37.45 ; 5.46,54.215 ccw(c6.1,54.855) Y1.1@6.1,53.95 ; 5.46,70.715 ccw(c6.1,71.355) Y1.1@6.1,70.45 ; Y1.1@5.762,4.413 cw(c5.548,4.2) Y1.1@5.85,4.2 ; Y1.1@5.762,20.913 cw(c5.548,20.7) Y1.1@5.85,20.7 ; Y1.1@5.762,37.413 cw(c5.548,37.2) Y1.1@5.85,37.2 ; Y1.1@5.762,53.913 cw(c5.548,53.7) Y1.1@5.85,53.7 ; Y1.1@5.762,70.413 cw(c5.548,70.2) Y1.1@5.85,70.2 ; Y1.1@5.95,4.1 5.95,4.225 5.275,4.9 5.275,5.125 ; Y1.1@5.95,20.6 5.95,20.725 5.275,21.4 5.275,21.625 ; Y1.1@5.95,37.1 5.95,37.225 5.275,37.9 5.275,38.125 ; Y1.1@5.95,53.6 5.95,53.725 5.275,54.4 5.275,54.625 ; Y1.1@5.95,70.1 5.95,70.225 5.275,70.9 5.275,71.125 ; U1.10@9.975,8.5 8.875,8.5 8.425,8.05 8.425,7.066 8.009,6.65 5.875,6.65 5.275,6.05 5.275,5.125 ; U1.10@9.975,25 8.875,25 8.425,24.55 8.425,23.566 8.009,23.15 5.875,23.15 5.275,22.55 5.275,21.625 ; U1.10@9.975,41.5 8.875,41.5 8.425,41.05 8.425,40.066 8.009,39.65 5.875,39.65 5.275,39.05 5.275,38.125 ; U1.10@9.975,58 8.875,58 8.425,57.55 8.425,56.566 8.009,56.15 5.875,56.15 5.275,55.55 5.275,54.625 ; U1.10@9.975,74.5 8.875,74.5 8.425,74.05 8.425,73.066 8.009,72.65 5.875,72.65 5.275,72.05 5.275,71.125 ; U1.10@26.175,4.5 27.275,4.5 27.725,4.95 27.725,5.934 28.141,6.35 30.275,6.35 30.875,6.95 30.875,7.875 ; U1.10@26.175,21 27.275,21 27.725,21.45 27.725,22.434 28.141,22.85 30.275,22.85 30.875,23.45 30.875,24.375 ; U1.10@26.175,37.5 27.275,37.5 27.725,37.95 27.725,38.934 28.141,39.35 30.275,39.35 30.875,39.95 30.875,40.875 ; U1.10@26.175,54 27.275,54 27.725,54.45 27.725,55.434 28.141,55.85 30.275,55.85 30.875,56.45 30.875,57.375 ; U1.10@26.175,70.5 27.275,70.5 27.725,70.95 27.725,71.934 28.141,72.35 30.275,72.35 30.875,72.95 30.875,73.875 ; Y1.1@30.05,8.55 cw(c30.05,7.645) 30.69,8.285 ; Y1.1@30.05,25.05 cw(c30.05,24.145) 30.69,24.785 ; Y1.1@30.05,41.55 cw(c30.05,40.645) 30.69,41.285 ; Y1.1@30.05,58.05 cw(c30.05,57.145) 30.69,57.785 ; Y1.1@30.05,74.55 cw(c30.05,73.645) 30.69,74.285 ; Y1.1@30.2,8.9 30.2,8.775 30.875,8.1 30.875,7.875 ; Y1.1@30.2,25.4 30.2,25.275 30.875,24.6 30.875,24.375 ; Y1.1@30.2,41.9 30.2,41.775 30.875,41.1 30.875,40.875 ; Y1.1@30.2,58.4 30.2,58.275 30.875,57.6 30.875,57.375 ; Y1.1@30.2,74.9 30.2,74.775 30.875,74.1 30.875,73.875 ; Y1.1@30.3,8.8 ccw(c30.602,8.8) Y1.1@30.388,8.587 ; Y1.1@30.3,25.3 ccw(c30.602,25.3) Y1.1@30.388,25.087 ; Y1.1@30.3,41.8 ccw(c30.602,41.8) Y1.1@30.388,41.587 ; Y1.1@30.3,58.3 ccw(c30.602,58.3) Y1.1@30.388,58.087 ; Y1.1@30.3,74.8 ccw(c30.602,74.8) Y1.1@30.388,74.587 ; C6.1@31.359,7.734 ccw(c31.017,7.392) 31.017,7.875 ccw(c31.017,8.358) C6.1@31.359,8.016 ; C6.1@31.359,24.234 ccw(c31.017,23.892) 31.017,24.375 ccw(c31.017,24.858) C6.1@31.359,24.516 ; C6.1@31.359,40.734 ccw(c31.017,40.392) 31.017,40.875 ccw(c31.017,41.358) C6.1@31.359,41.016 ; C6.1@31.359,57.234 ccw(c31.017,56.892) 31.017,57.375 ccw(c31.017,57.858) C6.1@31.359,57.516 ; C6.1@31.359,73.734 ccw(c31.017,73.392) 31.017,73.875 ccw(c31.017,74.358) C6.1@31.359,74.016 ; C6.1@31.525,7.875 30.875,7.875 ; C6.1@31.525,24.375 30.875,24.375 ; C6.1@31.525,40.875 30.875,40.875 ; C6.1@31.525,57.375 30.875,57.375 ; C6.1@31.525,73.875 30.875,73.875 ; C6.1@44.625,5.125 45.275,5.125 ; C6.1@44.625,21.625 45.275,21.625 ; C6.1@44.625,38.125 45.275,38.125 ; C6.1@44.625,54.625 45.275,54.625 ; C6.1@44.625,71.125 45.275,71.125 ; C6.1@44.791,4.984 cw(c45.133,4.642) 45.133,5.125 cw(c45.133,5.608) C6.1@44.791,5.266 ; C6.1@44.791,21.484 cw(c45.133,21.142) 45.133,21.625 cw(c45.133,22.108) C6.1@44.791,21.766 ; C6.1@44.791,37.984 cw(c45.133,37.642) 45.133,38.125 cw(c45.133,38.608) C6.1@44.791,38.266 ; C6.1@44.791,54.484 cw(c45.133,54.142) 45.133,54.625 cw(c45.133,55.108) C6.1@44.791,54.766 ; C6.1@44.791,70.984 cw(c45.133,70.642) 45.133,71.125 cw(c45.133,71.608) C6.1@44.791,71.266 ; 45.46,4.715 ccw(c46.1,5.355) Y1.1@46.1,4.45 ; 45.46,21.215 ccw(c46.1,21.855) Y1.1@46.1,20.95 ; 45.46,37.715 ccw(c46.1,38.355) Y1.1@46.1,37.45 ; 45.46,54.215 ccw(c46.1,54.855) Y1.1@46.1,53.95 ; 45.46,70.715 ccw(c46.1,71.355) Y1.1@46.1,70.45 ; Y1.1@45.762,4.413 cw(c45.548,4.2) Y1.1@45.85,4.2 ; Y1.1@45.762,20.913 cw(c45.548,20.7) Y1.1@45.85,20.7 ; Y1.1@45.762,37.413 cw(c45.548,37.2) Y1.1@45.85,37.2 ; Y1.1@45.762,53.913 cw(c45.548,53.7) Y1.1@45.85,53.7 ; Y1.1@45.762,70.413 cw(c45.548,70.2) Y1.1@45.85,70.2 ; Y1.1@45.95,4.1 45.95,4.225 45.275,4.9 45.275,5.125 ; Y1.1@45.95,20.6 45.95,20.725 45.275,21.4 45.275,21.625 ; Y1.1@45.95,37.1 45.95,37.225 45.275,37.9 45.275,38.125 ; Y1.1@45.95,53.6 45.95,53.725 45.275,54.4 45.275,54.625 ; Y1.1@45.95,70.1 45.95,70.225 45.275,70.9 45.275,71.125 ; U1.10@49.975,8.5 48.875,8.5 48.425,8.05 48.425,7.066 48.009,6.65 45.875,6.65 45.275,6.05 45.275,5.125 ; U1.10@49.975,25 48.875,25 48.425,24.55 48.425,23.566 48.009,23.15 45.875,23.15 45.275,22.55 45.275,21.625 ; U1.10@49.975,41.5 48.875,41.5 48.425,41.05 48.425,40.066 48.009,39.65 45.875,39.65 45.275,39.05 45.275,38.125 ; U1.10@49.975,58 48.875,58 48.425,57.55 48.425,56.566 48.009,56.15 45.875,56.15 45.275,55.55 45.275,54.625 ; U1.10@49.975,74.5 48.875,74.5 48.425,74.05 48.425,73.066 48.009,72.65 45.875,72.65 45.275,72.05 45.275,71.125 ; U1.10@66.175,4.5 67.275,4.5 67.725,4.95 67.725,5.934 68.141,6.35 70.275,6.35 70.875,6.95 70.875,7.875 ; U1.10@66.175,21 67.275,21 67.725,21.45 67.725,22.434 68.141,22.85 70.275,22.85 70.875,23.45 70.875,24.375 ; U1.10@66.175,37.5 67.275,37.5 67.725,37.95 67.725,38.934 68.141,39.35 70.275,39.35 70.875,39.95 70.875,40.875 ; U1.10@66.175,54 67.275,54 67.725,54.45 67.725,55.434 68.141,55.85 70.275,55.85 70.875,56.45 70.875,57.375 ; U1.10@66.175,70.5 67.275,70.5 67.725,70.95 67.725,71.934 68.141,72.35 70.275,72.35 70.875,72.95 70.875,73.875 ; Y1.1@70.05,8.55 cw(c70.05,7.645) 70.69,8.285 ; Y1.1@70.05,25.05 cw(c70.05,24.145) 70.69,24.785 ; Y1.1@70.05,41.55 cw(c70.05,40.645) 70.69,41.285 ; Y1.1@70.05,58.05 cw(c70.05,57.145) 70.69,57.785 ; Y1.1@70.05,74.55 cw(c70.05,73.645) 70.69,74.285 ; Y1.1@70.2,8.9 70.2,8.775 70.875,8.1 70.875,7.875 ; Y1.1@70.2,25.4 70.2,25.275 70.875,24.6 70.875,24.375 ; Y1.1@70.2,41.9 70.2,41.775 70.875,41.1 70.875,40.875 ; Y1.1@70.2,58.4 70.2,58.275 70.875,57.6 70.875,57.375 ; Y1.1@70.2,74.9 70.2,74.775 70.875,74.1 70.875,73.875 ; Y1.1@70.3,8.8 ccw(c70.602,8.8) Y1.1@70.388,8.587 ; Y1.1@70.3,25.3 ccw(c70.602,25.3) Y1.1@70.388,25.087 ; Y1.1@70.3,41.8 ccw(c70.602,41.8) Y1.1@70.388,41.587 ; Y1.1@70.3,58.3 ccw(c70.602,58.3) Y1.1@70.388,58.087 ; Y1.1@70.3,74.8 ccw(c70.602,74.8) Y1.1@70.388,74.587 ; C6.1@71.359,7.734 ccw(c71.017,7.392) 71.017,7.875 ccw(c71.017,8.358) C6.1@71.359,8.016 ; C6.1@71.359,24.234 ccw(c71.017,23.892) 71.017,24.375 ccw(c71.017,24.858) C6.1@71.359,24.516 ; C6.1@71.359,40.734 ccw(c71.017,40.392) 71.017,40.875 ccw(c71.017,41.358) C6.1@71.359,41.016 ; C6.1@71.359,57.234 ccw(c71.017,56.892) 71.017,57.375 ccw(c71.017,57.858) C6.1@71.359,57.516 ; C6.1@71.359,73.734 ccw(c71.017,73.392) 71.017,73.875 ccw(c71.017,74.358) C6.1@71.359,74.016 ; C6.1@71.525,7.875 70.875,7.875 ; C6.1@71.525,24.375 70.875,24.375 ; C6.1@71.525,40.875 70.875,40.875 ; C6.1@71.525,57.375 70.875,57.375 ; C6.1@71.525,73.875 70.875,73.875
NetC7_2: C7.2 U1.18 | length 114
  Top Layer w0.2: C7.2@6.975,5.55 7.725,5.55 8.5,4.775 10.75,4.775 10.925,4.95 U1.18@10.925,5.55 ; C7.2@6.975,22.05 7.725,22.05 8.5,21.275 10.75,21.275 10.925,21.45 U1.18@10.925,22.05 ; C7.2@6.975,38.55 7.725,38.55 8.5,37.775 10.75,37.775 10.925,37.95 U1.18@10.925,38.55 ; C7.2@6.975,55.05 7.725,55.05 8.5,54.275 10.75,54.275 10.925,54.45 U1.18@10.925,55.05 ; C7.2@6.975,71.55 7.725,71.55 8.5,70.775 10.75,70.775 10.925,70.95 U1.18@10.925,71.55 ; C7.2@7.116,5.409 cw(c7.458,5.067) 7.458,5.55 cw(c7.458,6.033) C7.2@7.116,5.691 ; C7.2@7.116,21.909 cw(c7.458,21.567) 7.458,22.05 cw(c7.458,22.533) C7.2@7.116,22.191 ; C7.2@7.116,38.409 cw(c7.458,38.067) 7.458,38.55 cw(c7.458,39.033) C7.2@7.116,38.691 ; C7.2@7.116,54.909 cw(c7.458,54.567) 7.458,55.05 cw(c7.458,55.533) C7.2@7.116,55.191 ; C7.2@7.116,71.409 cw(c7.458,71.067) 7.458,71.55 cw(c7.458,72.033) C7.2@7.116,71.691 ; U1.18@25.225,7.45 25.225,8.05 25.4,8.225 27.65,8.225 28.425,7.45 C7.2@29.175,7.45 ; U1.18@25.225,23.95 25.225,24.55 25.4,24.725 27.65,24.725 28.425,23.95 C7.2@29.175,23.95 ; U1.18@25.225,40.45 25.225,41.05 25.4,41.225 27.65,41.225 28.425,40.45 C7.2@29.175,40.45 ; U1.18@25.225,56.95 25.225,57.55 25.4,57.725 27.65,57.725 28.425,56.95 C7.2@29.175,56.95 ; U1.18@25.225,73.45 25.225,74.05 25.4,74.225 27.65,74.225 28.425,73.45 C7.2@29.175,73.45 ; C7.2@29.034,7.309 ccw(c28.692,6.967) 28.692,7.45 ccw(c28.692,7.933) C7.2@29.034,7.591 ; C7.2@29.034,23.809 ccw(c28.692,23.467) 28.692,23.95 ccw(c28.692,24.433) C7.2@29.034,24.091 ; C7.2@29.034,40.309 ccw(c28.692,39.967) 28.692,40.45 ccw(c28.692,40.933) C7.2@29.034,40.591 ; C7.2@29.034,56.809 ccw(c28.692,56.467) 28.692,56.95 ccw(c28.692,57.433) C7.2@29.034,57.091 ; C7.2@29.034,73.309 ccw(c28.692,72.967) 28.692,73.45 ccw(c28.692,73.933) C7.2@29.034,73.591 ; C7.2@46.975,5.55 47.725,5.55 48.5,4.775 50.75,4.775 50.925,4.95 U1.18@50.925,5.55 ; C7.2@46.975,22.05 47.725,22.05 48.5,21.275 50.75,21.275 50.925,21.45 U1.18@50.925,22.05 ; C7.2@46.975,38.55 47.725,38.55 48.5,37.775 50.75,37.775 50.925,37.95 U1.18@50.925,38.55 ; C7.2@46.975,55.05 47.725,55.05 48.5,54.275 50.75,54.275 50.925,54.45 U1.18@50.925,55.05 ; C7.2@46.975,71.55 47.725,71.55 48.5,70.775 50.75,70.775 50.925,70.95 U1.18@50.925,71.55 ; C7.2@47.116,5.409 cw(c47.458,5.067) 47.458,5.55 cw(c47.458,6.033) C7.2@47.116,5.691 ; C7.2@47.116,21.909 cw(c47.458,21.567) 47.458,22.05 cw(c47.458,22.533) C7.2@47.116,22.191 ; C7.2@47.116,38.409 cw(c47.458,38.067) 47.458,38.55 cw(c47.458,39.033) C7.2@47.116,38.691 ; C7.2@47.116,54.909 cw(c47.458,54.567) 47.458,55.05 cw(c47.458,55.533) C7.2@47.116,55.191 ; C7.2@47.116,71.409 cw(c47.458,71.067) 47.458,71.55 cw(c47.458,72.033) C7.2@47.116,71.691 ; U1.18@65.225,7.45 65.225,8.05 65.4,8.225 67.65,8.225 68.425,7.45 C7.2@69.175,7.45 ; U1.18@65.225,23.95 65.225,24.55 65.4,24.725 67.65,24.725 68.425,23.95 C7.2@69.175,23.95 ; U1.18@65.225,40.45 65.225,41.05 65.4,41.225 67.65,41.225 68.425,40.45 C7.2@69.175,40.45 ; U1.18@65.225,56.95 65.225,57.55 65.4,57.725 67.65,57.725 68.425,56.95 C7.2@69.175,56.95 ; U1.18@65.225,73.45 65.225,74.05 65.4,74.225 67.65,74.225 68.425,73.45 C7.2@69.175,73.45 ; C7.2@69.034,7.309 ccw(c68.692,6.967) 68.692,7.45 ccw(c68.692,7.933) C7.2@69.034,7.591 ; C7.2@69.034,23.809 ccw(c68.692,23.467) 68.692,23.95 ccw(c68.692,24.433) C7.2@69.034,24.091 ; C7.2@69.034,40.309 ccw(c68.692,39.967) 68.692,40.45 ccw(c68.692,40.933) C7.2@69.034,40.591 ; C7.2@69.034,56.809 ccw(c68.692,56.467) 68.692,56.95 ccw(c68.692,57.433) C7.2@69.034,57.091 ; C7.2@69.034,73.309 ccw(c68.692,72.967) 68.692,73.45 ccw(c68.692,73.933) C7.2@69.034,73.591
NetC9_1: C9.1 C11.2 XX1.1 | length 64.9
  Top Layer w0.4: XX1.1@4.375,9.875 5.4,9.875 C11.2@5.55,9.725 5.55,8.275 C9.1@5.575,8.25 ; XX1.1@4.375,26.375 5.4,26.375 C11.2@5.55,26.225 5.55,24.775 C9.1@5.575,24.75 ; XX1.1@4.375,42.875 5.4,42.875 C11.2@5.55,42.725 5.55,41.275 C9.1@5.575,41.25 ; XX1.1@4.375,59.375 5.4,59.375 C11.2@5.55,59.225 5.55,57.775 C9.1@5.575,57.75 ; XX1.1@4.375,75.875 5.4,75.875 C11.2@5.55,75.725 5.55,74.275 C9.1@5.575,74.25 ; 5.007,9.875 cw(c5.007,9.207) C11.2@5.479,9.679 ; 5.007,26.375 cw(c5.007,25.707) C11.2@5.479,26.179 ; 5.007,42.875 cw(c5.007,42.207) C11.2@5.479,42.679 ; 5.007,59.375 cw(c5.007,58.707) C11.2@5.479,59.179 ; 5.007,75.875 cw(c5.007,75.207) C11.2@5.479,75.679 ; C9.1@30.575,4.75 30.6,4.725 C11.2@30.6,3.275 30.75,3.125 XX1.1@31.775,3.125 ; C9.1@30.575,21.25 30.6,21.225 C11.2@30.6,19.775 30.75,19.625 XX1.1@31.775,19.625 ; C9.1@30.575,37.75 30.6,37.725 C11.2@30.6,36.275 30.75,36.125 XX1.1@31.775,36.125 ; C9.1@30.575,54.25 30.6,54.225 C11.2@30.6,52.775 30.75,52.625 XX1.1@31.775,52.625 ; C9.1@30.575,70.75 30.6,70.725 C11.2@30.6,69.275 30.75,69.125 XX1.1@31.775,69.125 ; C11.2@30.671,3.321 ccw(c31.143,3.793) 31.143,3.125 ; C11.2@30.671,19.821 ccw(c31.143,20.293) 31.143,19.625 ; C11.2@30.671,36.321 ccw(c31.143,36.793) 31.143,36.125 ; C11.2@30.671,52.821 ccw(c31.143,53.293) 31.143,52.625 ; C11.2@30.671,69.321 ccw(c31.143,69.793) 31.143,69.125 ; XX1.1@44.375,9.875 45.4,9.875 C11.2@45.55,9.725 45.55,8.275 C9.1@45.575,8.25 ; XX1.1@44.375,26.375 45.4,26.375 C11.2@45.55,26.225 45.55,24.775 C9.1@45.575,24.75 ; XX1.1@44.375,42.875 45.4,42.875 C11.2@45.55,42.725 45.55,41.275 C9.1@45.575,41.25 ; XX1.1@44.375,59.375 45.4,59.375 C11.2@45.55,59.225 45.55,57.775 C9.1@45.575,57.75 ; XX1.1@44.375,75.875 45.4,75.875 C11.2@45.55,75.725 45.55,74.275 C9.1@45.575,74.25 ; 45.007,9.875 cw(c45.007,9.207) C11.2@45.479,9.679 ; 45.007,26.375 cw(c45.007,25.707) C11.2@45.479,26.179 ; 45.007,42.875 cw(c45.007,42.207) C11.2@45.479,42.679 ; 45.007,59.375 cw(c45.007,58.707) C11.2@45.479,59.179 ; 45.007,75.875 cw(c45.007,75.207) C11.2@45.479,75.679 ; C9.1@70.575,4.75 70.6,4.725 C11.2@70.6,3.275 70.75,3.125 XX1.1@71.775,3.125 ; C9.1@70.575,21.25 70.6,21.225 C11.2@70.6,19.775 70.75,19.625 XX1.1@71.775,19.625 ; C9.1@70.575,37.75 70.6,37.725 C11.2@70.6,36.275 70.75,36.125 XX1.1@71.775,36.125 ; C9.1@70.575,54.25 70.6,54.225 C11.2@70.6,52.775 70.75,52.625 XX1.1@71.775,52.625 ; C9.1@70.575,70.75 70.6,70.725 C11.2@70.6,69.275 70.75,69.125 XX1.1@71.775,69.125 ; C11.2@70.671,3.321 ccw(c71.143,3.793) 71.143,3.125 ; C11.2@70.671,19.821 ccw(c71.143,20.293) 71.143,19.625 ; C11.2@70.671,36.321 ccw(c71.143,36.793) 71.143,36.125 ; C11.2@70.671,52.821 ccw(c71.143,53.293) 71.143,52.625 ; C11.2@70.671,69.321 ccw(c71.143,69.793) 71.143,69.125
NetC11_1: C11.1 L2.1 | length 26.5
  Top Layer w0.5: C11.1@6.4,9.725 L2.1@7.725,9.725 ; C11.1@6.4,26.225 L2.1@7.725,26.225 ; C11.1@6.4,42.725 L2.1@7.725,42.725 ; C11.1@6.4,59.225 L2.1@7.725,59.225 ; C11.1@6.4,75.725 L2.1@7.725,75.725 ; L2.1@28.425,3.275 C11.1@29.75,3.275 ; L2.1@28.425,19.775 C11.1@29.75,19.775 ; L2.1@28.425,36.275 C11.1@29.75,36.275 ; L2.1@28.425,52.775 C11.1@29.75,52.775 ; L2.1@28.425,69.275 C11.1@29.75,69.275 ; C11.1@46.4,9.725 L2.1@47.725,9.725 ; C11.1@46.4,26.225 L2.1@47.725,26.225 ; C11.1@46.4,42.725 L2.1@47.725,42.725 ; C11.1@46.4,59.225 L2.1@47.725,59.225 ; C11.1@46.4,75.725 L2.1@47.725,75.725 ; L2.1@68.425,3.275 C11.1@69.75,3.275 ; L2.1@68.425,19.775 C11.1@69.75,19.775 ; L2.1@68.425,36.275 C11.1@69.75,36.275 ; L2.1@68.425,52.775 C11.1@69.75,52.775 ; L2.1@68.425,69.275 C11.1@69.75,69.275